# Altium PCB controller.PcbDoc (part 2 of 2)
Units mm, origin at the board's own origin, x right, y up, seen from the top; angles counter-clockwise.
Board outline 164.59 x 131.95 mm, 2 copper layers (Top Layer, Bottom Layer); 200 components, 169 nets, 753 pads, 168 vias.
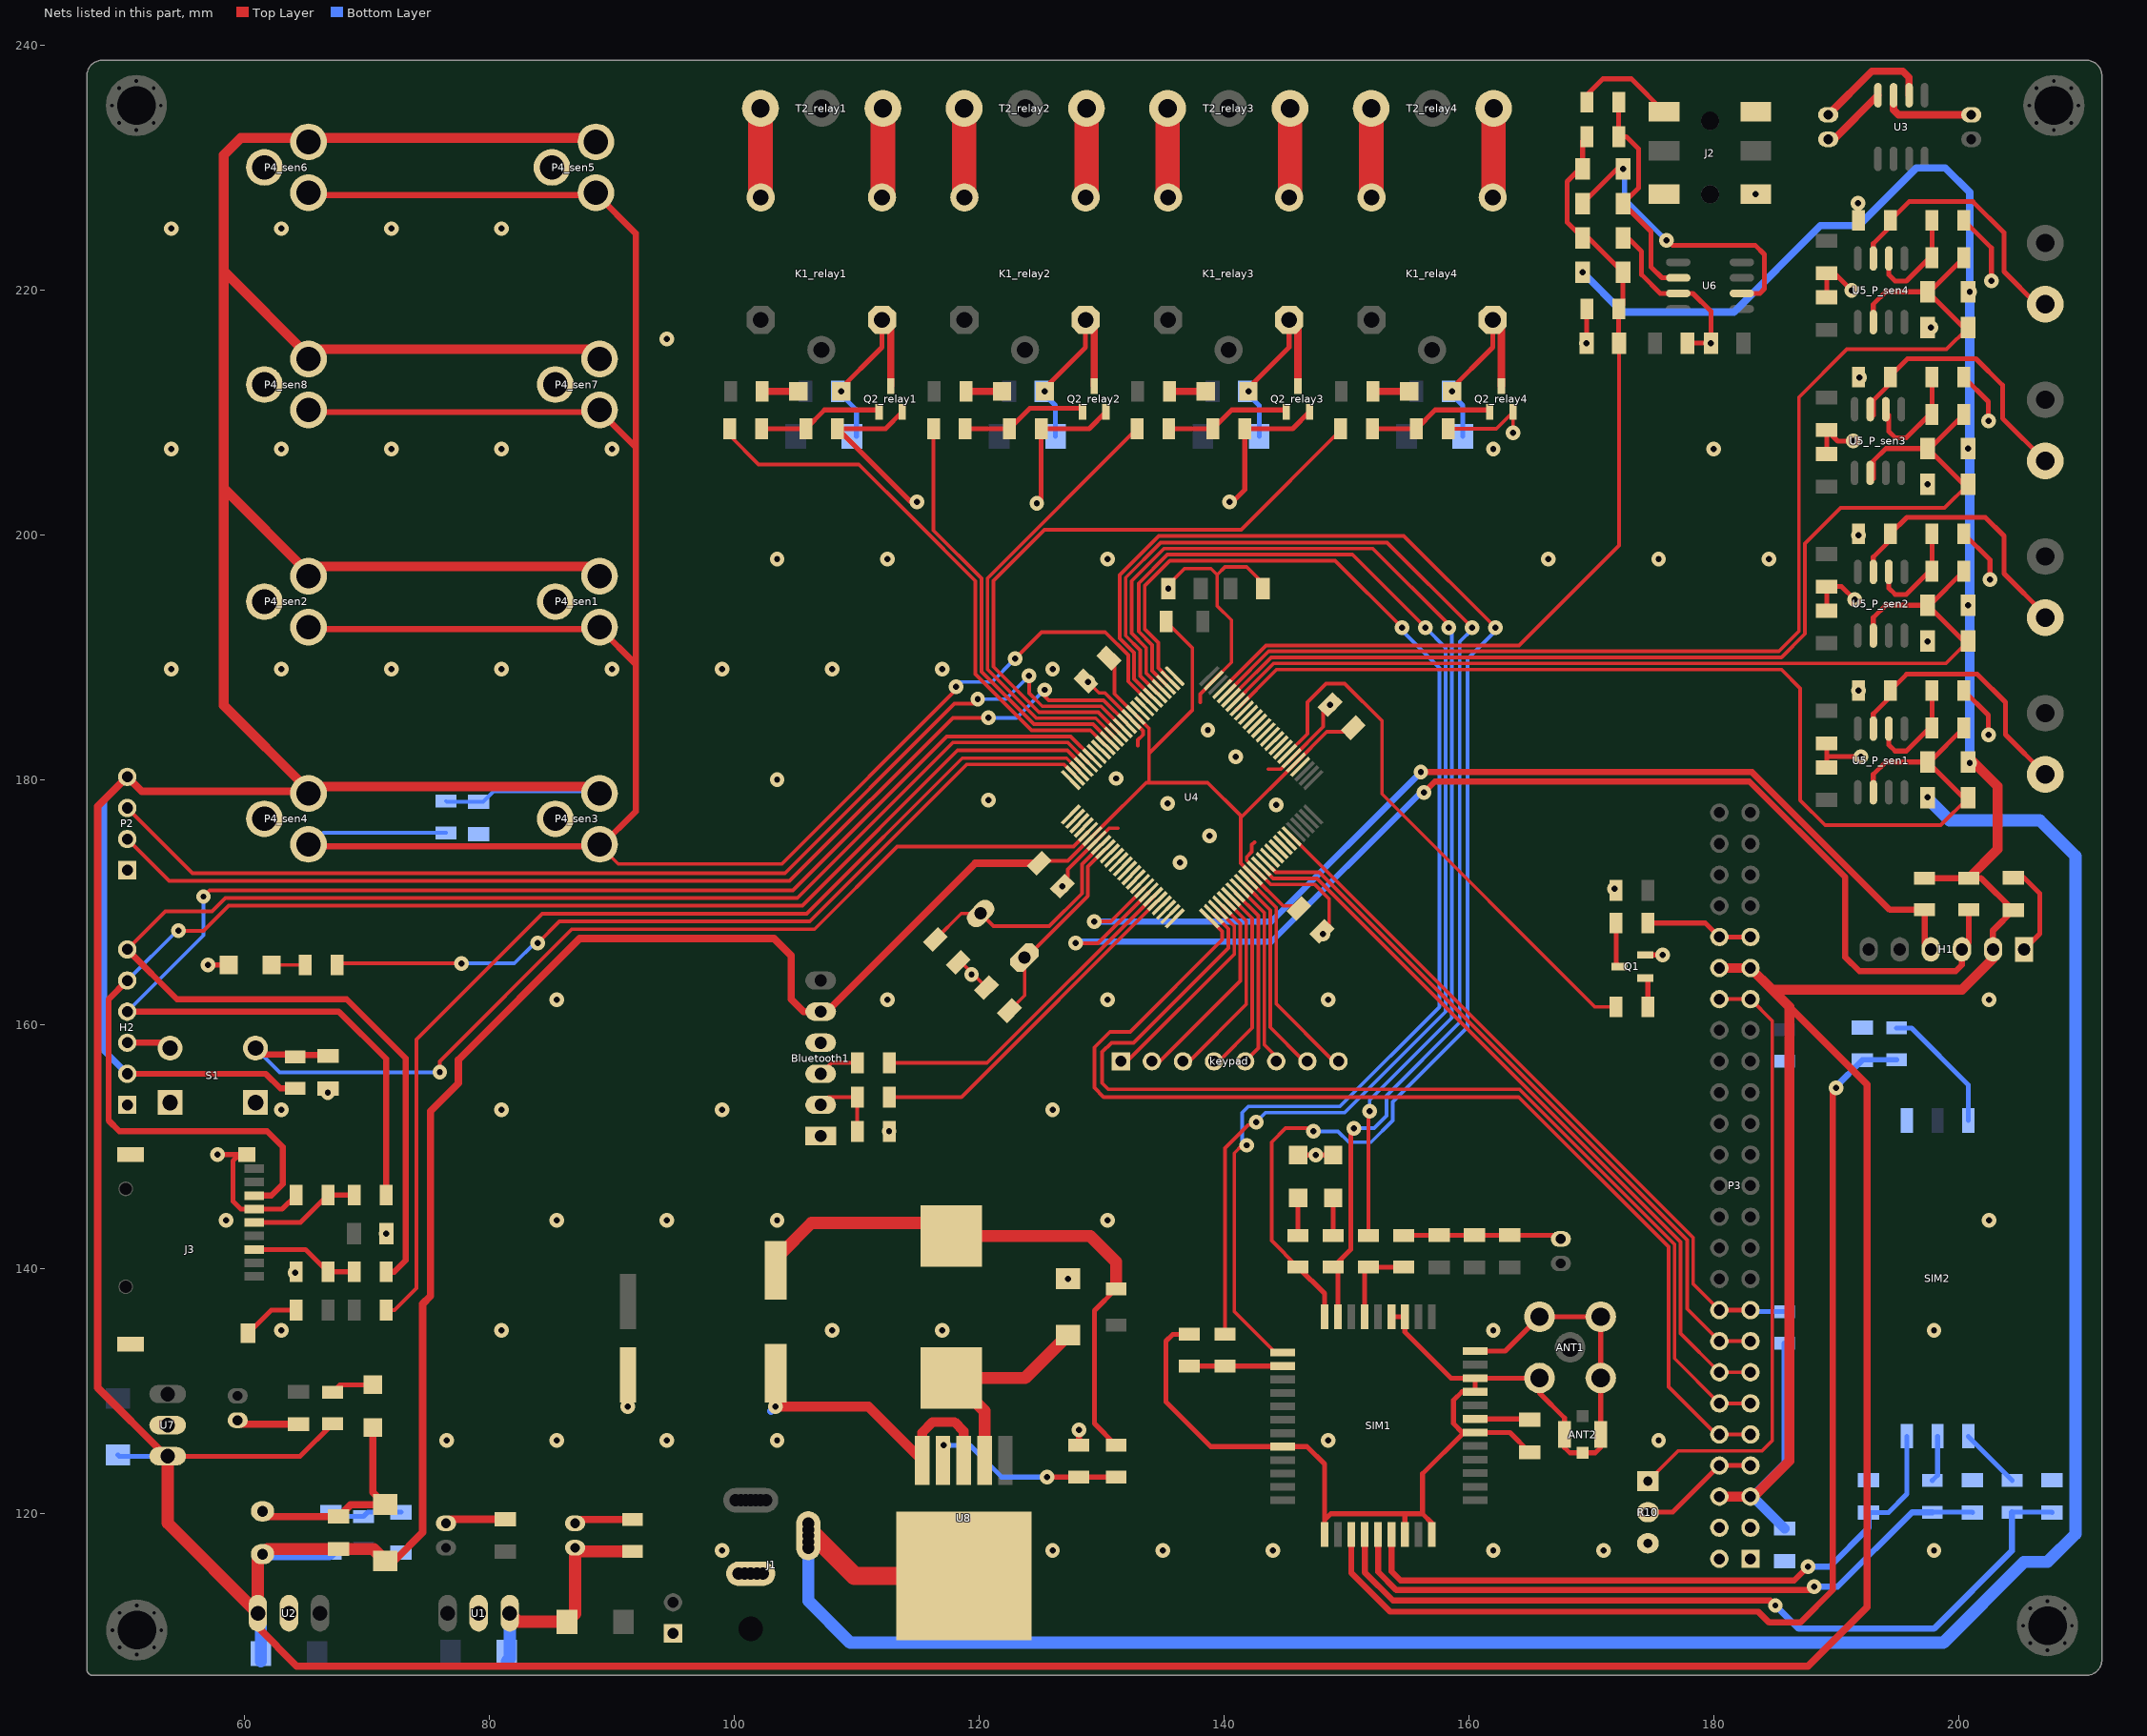
[diagram p2: the nets of this part, all layers, seen from the top]

## Via types
v1: diameter 1.2, hole 0.5, Top Layer to Bottom Layer, tented both sides, 168 vias

## Nets (pads, with @x,y where several pads share a name; then routed paths per layer and width w, separated by ;. In a path a pad name is that pad's centre, name@x,y a point inside that pad or via, vN(x,y) a via of type N, cw(c..) or ccw(c..) an arc to the next point about the centre after c; other vN are vias at no path point) (continued)
GND: ANT1.2 ANT2.G Bluetooth1.4 C1.2 C2.2 C3.2 C4.1 C5.1 C7.1 C8.1 C9.1 C10.1 C11.2 C12.1 C13.2 C14.2 C15.1 C16.1 C17.1 C18.1 C19_P_sen1.2 C19_P_sen2.2 C19_P_sen3.2 C19_P_sen4.2 C20_P_sen1.1 C20_P_sen2.1 C20_P_sen3.1 C20_P_sen4.1 C22.1 C23.2 C24.1 C25.1 C26.2 C27.1 C28.2 C29.2 C30.1 C31.1 C32.2 C33.1 C34.1 C35.1 C36.1 C37.1 C38.1 C39.1 D4.1 D7.1 D9_P_sen1.1 D9_P_sen2.1 D9_P_sen3.1 D9_P_sen4.1 D14.1 D16.1 H1.1 H2.1 J1.2 J1.3 J2.3 J3.6 J3.sh1 J3.sh2 J3.sh3 J3.sh4 LED2.2 LED3.2 LED4.2 LED5.2 P1.1 P2.1 P3.1 P3.2 P3.3 P3.4 P4_sen1.1 P4_sen2.1 P4_sen3.1 P4_sen4.1 P4_sen5.1 P4_sen6.1 P4_sen7.1 P4_sen8.1 Q1.2 Q2_relay1.2 Q2_relay2.2 Q2_relay3.2 Q2_relay4.2 R1.1 R5.1 R10.2 R13_P_sen1.1 R13_P_sen2.1 R13_P_sen3.1 R13_P_sen4.1 R14_P_sen1.1 R14_P_sen2.1 R14_P_sen3.1 R14_P_sen4.1 R17_relay1.1 R17_relay2.1 R17_relay3.1 R17_relay4.1 R21.1 R22.1 R25.1 R31.1 R32.1 R33.1 R34.2 R39.1 R42.1 S1.1 SIM1.8 SIM1.13 SIM1.19 SIM1.21 SIM1.27 SIM1.30 SIM1.31 SIM1.33 SIM1.36 SIM1.37 SIM2.4 U1.2 U2.2 U3.3 U4.11 U4.32 U4.62 U4.81 U4.99 U6.3 U7.2 U8.3 U8.5 | length 584
  Top Layer w0.3: C11.2@118.285,165.052 118.539,165.052 C14.2@120.602,162.989 ; v1(126.794,171.275) 127.254,171.735 127.254,172.655 U4.32@129.612,175.013 130.621,176.022 131.318,176.022 ; C15.1@128.857,187.658 129.207,187.658 129.794,187.071 130.282,187.071 U4.11@132.44,184.913 133.385,183.968 133.385,183.641 132.969,183.225 132.969,182.753 ; v1(135.454,195.58) 135.454,195.906 136.779,197.231 138.938,197.231 139.446,196.723 ; 138.049,186.309 138.049,186.986 U4.99@139.158,188.095 139.158,188.109 140.607,189.558 140.607,193.022 139.446,194.183 139.446,196.723 ; 142.494,174.879 142.278,174.663 142.278,174.088 141.858,173.669 141.858,173.373 U4.62@142.693,172.538 143.801,171.43 147.393,171.43 148.59,170.233 148.59,168.179 C17.1@148.003,167.592 ; C12.1@143.184,195.58 143.184,196.033 141.859,197.358 140.081,197.358 139.446,196.723 ; 143.637,180.848 144.639,180.848 U4.81@145.522,181.731 148.098,184.307 148.098,185.531 v1(148.669,186.103) ; R17_relay4.1@158.326,208.661 162.25,208.661 Q2_relay4.2@163.613,210.024 v1(163.613,208.317)
  Top Layer w0.4: v1(57.023,164.846) LED5.2@58.702,164.846 ; v1(57.79,149.357) J3.sh1@60.192,149.357 ; 59.436,149.225 59.055,148.844 59.055,145.542 59.69,144.907 J3.6@60.792,144.907 63.063,144.907 R32.1@64.206,146.05 ; J3.sh4@60.292,134.757 62.187,136.652 R31.1@64.206,136.652 ; Q2_relay1.2@113.726,210.024 112.363,208.661 R17_relay1.1@108.439,208.661 114.408,202.692 v1(114.935,202.692) ; v1(124.714,202.565) 124.714,202.311 125.068,202.665 R17_relay2.1@125.068,208.661 128.992,208.661 Q2_relay2.2@130.355,210.024 ; R34.2@137.16,134.676 135.819,134.676 135.255,134.112 135.255,129.159 138.915,125.499 SIM1.8@144.78,125.499 146.789,125.499 148.209,124.079 148.209,119.507 ; v1(140.462,202.692) 140.589,202.565 141.697,203.673 R17_relay3.1@141.697,208.661 145.621,208.661 Q2_relay3.2@146.984,210.024 ; LED3.2@146.05,149.324 v1(147.487,149.324) LED2.2@148.924,149.324 ; SIM1.13@148.209,118.318 148.209,119.507 ; SIM1.37@153.686,136.098 SIM1.36@154.781,136.098 154.781,134.86 158.554,131.087 SIM1.31@160.528,131.087 ; R42.1@154.673,142.76 167.215,142.76 C32.2@167.513,142.462 ; SIM1.19@154.781,118.318 154.781,119.983 154.813,120.015 ; SIM1.21@156.972,118.318 156.972,119.263 156.22,120.015 ; SIM1.33@160.528,133.304 162.975,133.304 ANT1.2@165.775,136.104 ANT1.2@170.775,136.104 ANT1.2@170.775,131.104 170.775,126.501 ANT2.G@170.766,126.492 170.766,125.427 170.331,124.992 ANT2.G@169.291,124.992 168.251,124.992 167.816,125.427 ANT2.G@167.816,126.492 167.816,127.84 165.775,129.881 ANT1.2@165.775,131.104 165.758,131.087 SIM1.31@160.528,131.087 ; C30.1@164.973,125.04 163.359,126.654 SIM1.27@160.528,126.654 SIM1.27@159.596,126.654 ; v1(169.615,215.646) 169.615,218.41 R21.1@169.642,218.437 ; v1(171.902,171.069) R5.1@172.029,170.942 ; D14.1@172.59,224.243 173.011,224.243 174.115,223.139 174.115,221.234 175.639,219.71 U6.3@177.103,219.71 178.308,219.71 179.775,218.243 v1(179.775,215.646) C25.1@177.853,215.646 ; Q1.2@174.405,165.669 v1(175.829,165.669) ; v1(183.419,227.807) J2.3@183.453,227.807 ; C19_P_sen1.2@189.23,180.975 189.23,181.864 ; C20_P_sen1.1@189.23,182.952 189.23,181.864 ; C19_P_sen2.2@189.23,193.778 C20_P_sen2.1@189.23,195.755 190.452,195.755 v1(191.516,194.691) ; C19_P_sen3.2@189.23,206.581 C20_P_sen3.1@189.23,208.558 190.143,207.645 v1(191.389,207.645) ; C19_P_sen4.2@189.23,219.384 C20_P_sen4.1@189.23,221.361 189.865,221.361 v1(191.262,219.964) ; v1(191.785,227.076) 191.841,227.02 R14_P_sen4.1@191.841,225.679 ; v1(191.841,199.954) R14_P_sen2.1@191.841,200.073 ; R14_P_sen3.1@191.841,212.876 v1(191.897,212.82) ; v1(192.024,181.864) 189.23,181.864 ; D9_P_sen1.1@197.486,178.507 v1(197.486,178.563) ; v1(197.486,191.263) D9_P_sen2.1@197.486,191.31 ; D9_P_sen4.1@197.486,216.916 v1(197.739,216.916) ; R13_P_sen1.1@200.434,187.27 202.438,185.266 v1(202.438,183.642) ; R13_P_sen2.1@200.434,200.073 202.565,197.942 v1(202.565,196.342) ; R13_P_sen3.1@200.434,212.876 202.438,210.872 v1(202.438,209.296) ; R13_P_sen4.1@200.434,225.679 202.692,223.421 v1(202.692,220.726) ; C9.1@204.47,171.969 205.348,171.969 206.629,170.688 206.629,167.386 H1.1@205.359,166.116 ; 148.209,119.507 148.717,120.015 154.813,120.015 ; 154.813,120.015 156.22,120.015 ; 156.22,120.015 156.22,123.278 SIM1.27@159.596,126.654 ; SIM1.27@159.596,126.654 159.477,126.654 158.75,127.381 158.75,129.286 159.443,129.979 SIM1.30@160.528,129.979 SIM1.31@160.528,131.087
  Top Layer w0.5: R25.1@128.143,125.603 v1(128.143,126.873)
  Top Layer w0.6: C26.2@59.436,127.651 59.761,127.326 C27.1@64.389,127.326 ; C3.2@61.468,120.213 61.893,119.788 C5.1@67.691,119.788 68.666,120.763 D4.1@71.501,120.763 70.485,121.779 LED4.2@70.485,127.051 ; C2.2@76.454,119.237 76.779,119.562 C4.1@81.28,119.562 ; C1.2@86.995,119.237 87.293,119.535 R1.1@91.694,119.535 ; v1(91.313,128.778) C28.2@91.313,131.356 ; v1(103.378,128.778) C29.2@103.378,131.506 ; U3.3@194.691,235.899 194.691,234.696 195.088,234.299 C7.1@201.041,234.299
  Top Layer w0.8: v1(103.378,128.778) 110.95,128.778 U8.5@115.345,124.383 115.345,126.648 116.205,127.508 117.983,127.508 118.745,126.746 U8.3@118.745,124.383
  Top Layer w1.5: J1.3@106.046,118.717 109.828,114.935 U8.3@118.745,114.935
  Bottom Layer w0.4: v1@191.897,212.725 v1(191.897,212.82) ; v1(197.486,191.263) v1(197.486,191.263) ; v1(197.486,178.563) v1@197.612,178.689
  Bottom Layer w0.6: v1@102.997,128.397 v1(103.378,128.778)
  Bottom Layer w1: J1.3@106.046,118.217 J1.3@106.046,117.717 J1.3@106.046,117.217 106.046,112.902 109.474,109.474 198.755,109.474 205.359,116.078 207.264,116.078 209.55,118.364 209.55,173.736 206.629,176.657 199.265,176.657 v1@197.486,178.436
  other v1: 99,117 126,117 135,117 144,117 162,117 171,117 198,117 76.5,126 85.5,126 94.5,126 103.5,126 148.5,126 175.5,126 63,135 81,135 108,135 117,135 162,135 198,135 127.254,139.206 64.135,139.7 71.584,142.892 58.5,144 85.5,144 94.5,144 103.5,144 130.5,144 202.5,144 112.649,151.257 63,153 81,153 99,153 126,153 66.802,154.432 85.5,162 112.5,162 130.5,162 148.5,162 202.5,162 119.38,164.084 148.082,167.386 136.398,173.228 138.811,175.387 144.272,177.927 135.382,178.054 120.777,178.308 103.5,180 131.191,180.086 140.97,181.864 138.684,184.023 191.841,187.27 128.905,187.96 54,189 63,189 72,189 81,189 90,189 99,189 108,189 117,189 126,189 103.5,198 112.5,198 130.5,198 166.5,198 175.5,198 184.5,198 197.486,204.113 54,207 63,207 72,207 81,207 90,207 162,207 180,207 94.5,216 54,225 63,225 72,225 81,225
Key1: keypad.1 U4.53 | length 17.1
  Top Layer w0.3: keypad.1@131.572,156.972 132.08,156.972 140.842,165.734 140.842,168.011 139.511,169.342 U4.53@139.511,169.356
Key2: keypad.2 U4.54 | length 16.7
  Top Layer w0.3: keypad.2@134.112,156.972 134.747,156.972 141.332,163.557 141.332,168.228 139.865,169.696 U4.54@139.865,169.71
Key3: keypad.3 U4.55 | length 16.2
  Top Layer w0.3: keypad.3@136.652,156.972 137.16,156.972 141.822,161.634 141.822,168.445 140.218,170.049 U4.55@140.218,170.063
Key4: keypad.4 U4.56 | length 15.7
  Top Layer w0.3: keypad.4@139.192,156.972 139.573,156.972 142.312,159.711 142.312,168.663 140.572,170.403 U4.56@140.572,170.417
Key5: keypad.5 U4.57 | length 15
  Top Layer w0.3: U4.57@140.925,170.77 140.925,170.756 142.802,168.88 142.802,158.042 keypad.5@141.732,156.972
Key6: keypad.6 U4.58 | length 15.4
  Top Layer w0.3: U4.58@141.279,171.124 141.279,171.11 143.292,169.097 143.292,158.333 144.272,157.353 keypad.6@144.272,156.972
Key7: keypad.7 U4.59 | length 16.8
  Top Layer w0.3: U4.59@141.633,171.478 143.782,169.328 143.782,159.748 146.558,156.972 keypad.7@146.812,156.972
Key8: keypad.8 U4.60 | length 18.1
  Top Layer w0.3: U4.60@141.986,171.831 141.986,171.817 144.272,169.531 144.272,161.671 148.971,156.972 keypad.8@149.352,156.972
mosi_3.3: J3.3 R30.1 R33.2 | length 8.9
  Top Layer w0.4: J3.3@60.792,141.607 64.98,141.607 R33.2@66.802,139.785 R30.1@68.961,139.785
NC_relay1: K1_relay1.2 T2_relay1.3 | length 7.3
  Top Layer w2: T2_relay1.3@102.141,234.823 102.141,227.576 K1_relay1.2@102.166,227.551
NC_relay2: K1_relay2.2 T2_relay2.3 | length 7.3
  Top Layer w2: T2_relay2.3@118.77,234.823 118.77,227.576 K1_relay2.2@118.795,227.551
NC_relay3: K1_relay3.2 T2_relay3.3 | length 7.3
  Top Layer w2: T2_relay3.3@135.399,234.823 135.399,227.576 K1_relay3.2@135.424,227.551
NC_relay4: K1_relay4.2 T2_relay4.3 | length 7.3
  Top Layer w2: T2_relay4.3@152.028,234.823 152.028,227.576 K1_relay4.2@152.053,227.551
NetC1_1: C1.1 D1.2 D3.2 R1.2 U1.1 | length 20.2
  Top Layer w1: U1.1@81.661,111.887 82.36,111.188 D3.2@86.346,111.188 86.995,111.837 C1.1@86.995,117.237 87.293,116.939 R1.2@91.694,116.939
  Bottom Layer w1: D1.2@81.421,107.95 81.661,108.19 U1.1@81.661,111.887
NetC6_+: C6.1 U3.2 | length 9.8
  Top Layer w0.6: C6.1@189.357,234.299 192.929,237.871 195.453,237.871 195.961,237.363 U3.2@195.961,235.899
NetC6_-: C6.2 U3.4 | length 5.6
  Top Layer w0.6: C6.2@189.357,232.299 189.821,232.299 U3.4@193.421,235.899
NetC11_1: C11.1 U4.33 Y1.2 | length 19
  Top Layer w0.3: C11.1@116.411,166.926 118.54,169.055 Y1.2@120.124,169.055 121.158,168.021 125.73,168.021 128.397,170.688 128.397,173.091 U4.33@129.965,174.66
NetC14_1: C14.1 U4.34 Y1.1 | length 16.5
  Top Layer w0.3: C14.1@122.476,161.115 123.716,162.355 Y1.1@123.716,165.463 123.865,165.463 128.887,170.485 128.887,172.874 U4.34@130.319,174.306
NetC21_relay1_1: C21_relay1.1 D10_relay1.1 K1_relay1.5 LED1_relay1.2 Q2_relay1.3 | length 17.4
  Top Layer w0.4: LED1_relay1.2@108.466,211.709 112.066,215.309 K1_relay1.5@112.066,217.551
  Top Layer w0.6: K1_relay1.5@112.066,217.551 112.776,216.841 Q2_relay1.3@112.776,212.124
  Bottom Layer w0.4: C21_relay1.1@108.466,211.709 109.982,210.193 D10_relay1.1@109.982,208.026
  other v1: 108.741,211.709
NetC21_relay2_1: C21_relay2.1 D10_relay2.1 K1_relay2.5 LED1_relay2.2 Q2_relay2.3 | length 17.2
  Top Layer w0.4: LED1_relay2.2@125.095,211.709 128.695,215.309 K1_relay2.5@128.695,217.551
  Top Layer w0.6: K1_relay2.5@128.695,217.551 129.405,216.841 Q2_relay2.3@129.405,212.124
  Bottom Layer w0.4: C21_relay2.1@125.095,211.709 126.238,210.566 D10_relay2.1@126.238,208.026
  other v1: 125.37,211.709
NetC21_relay3_1: C21_relay3.1 D10_relay3.1 K1_relay3.5 LED1_relay3.2 Q2_relay3.3 | length 17.2
  Top Layer w0.4: LED1_relay3.2@141.724,211.709 145.324,215.309 K1_relay3.5@145.324,217.551
  Top Layer w0.6: K1_relay3.5@145.324,217.551 146.034,216.841 Q2_relay3.3@146.034,212.124
  Bottom Layer w0.4: C21_relay3.1@141.724,211.709 142.875,210.558 D10_relay3.1@142.874,208.026
  other v1: 141.999,211.709
NetC21_relay4_1: C21_relay4.1 D10_relay4.1 K1_relay4.5 LED1_relay4.2 Q2_relay4.3 | length 17.2
  Top Layer w0.4: LED1_relay4.2@158.353,211.709 161.953,215.309 K1_relay4.5@161.953,217.551
  Top Layer w0.6: K1_relay4.5@161.953,217.551 162.663,216.841 Q2_relay4.3@162.663,212.124
  Bottom Layer w0.4: C21_relay4.1@158.353,211.709 159.503,210.559 D10_relay4.1@159.503,208.026
  other v1: 158.628,211.709
NetC29_1: C29.1 FB1.1 L2.2 R24.2 | length 46.4
  Top Layer w0.4: R24.2@131.191,125.603 129.413,127.381 129.413,136.603 FB1.1@131.191,138.381
  Top Layer w1: C29.1@103.632,141.097 106.299,143.764 116.671,143.764 L2.2@117.729,142.706 129.074,142.706 131.191,140.589 FB1.1@131.191,138.381
NetC30_2: C30.2 SIM1.28 | length 4.5
  Top Layer w0.4: SIM1.28@160.528,127.762 164.901,127.762 C30.2@164.973,127.69
NetD5_2: D5.2 D7.2 R4.2 | length 6
  Bottom Layer w0.4: D5.2@67.056,120.141 67.408,119.789 R4.2@69.723,119.789 70.075,120.141 D7.2@72.771,120.141
NetD11_1: D11.1 R19.1 R20.2 U6.2 | length 18.6
  Top Layer w0.4: R20.2@172.238,235.331 R19.1@172.238,232.515 172.867,232.515 173.861,231.521 173.861,228.33 D11.1@172.59,227.059 174.877,224.772 174.877,221.869 175.766,220.98 U6.2@177.103,220.98
NetD11_2: D11.2 D13.1 U6.6 | length 25.5
  Top Layer w0.4: D11.2@169.29,227.059 172.106,229.875 D13.1@172.59,229.875 v1(172.596,229.875) ; v1(176.147,224.028) 176.147,224.155 176.655,223.647 183.386,223.647 184.148,222.885 184.148,220.091 183.767,219.71 U6.6@182.303,219.71
  Bottom Layer w0.4: v1(172.596,229.875) 172.718,229.997 172.718,227.457 v1(176.147,224.028)
NetD16_2: D16.2 L2.1 U8.2 | length 18.8
  Top Layer w1: U8.2@120.445,124.383 120.445,128.39 L2.1@117.729,131.106 123.754,131.106 D16.2@127.254,134.606
NetJ2_1: J2.1 R20.1 | length 8.6
  Top Layer w0.4: R20.1@169.642,235.331 169.642,235.938 170.94,237.236 173.274,237.236 J2.1@175.953,234.557
NetLED1_relay1_1: LED1_relay1.1 R15_relay1.1 | length 3
  Top Layer w0.6: R15_relay1.1@102.291,211.709 LED1_relay1.1@105.241,211.709
NetLED1_relay2_1: LED1_relay2.1 R15_relay2.1 | length 3
  Top Layer w0.6: R15_relay2.1@118.92,211.709 LED1_relay2.1@121.87,211.709
NetLED1_relay3_1: LED1_relay3.1 R15_relay3.1 | length 3
  Top Layer w0.6: R15_relay3.1@135.549,211.709 LED1_relay3.1@138.499,211.709
NetLED1_relay4_1: LED1_relay4.1 R15_relay4.1 | length 3
  Top Layer w0.6: R15_relay4.1@152.178,211.709 LED1_relay4.1@155.128,211.709
NetLED2_A: LED2.1 R26.2 | length 3.1
  Top Layer w0.4: R26.2@148.924,142.76 LED2.1@148.924,145.824
NetLED3_A: LED3.1 R27.2 | length 3.1
  Top Layer w0.4: R27.2@146.05,142.76 LED3.1@146.05,145.824
NetLED4_A: LED4.1 R9.2 | length 3.6
  Top Layer w0.4: R9.2@67.183,129.949 67.785,130.551 LED4.1@70.485,130.551
NetLED5_A: LED5.1 R43.2 | length 2.8
  Top Layer w0.3: LED5.1@62.202,164.846 R43.2@64.968,164.846
NetP3_41: P3.41 P3.42 R6.2 | length 8.9
  Top Layer w0.4: R6.2@174.625,168.275 179.324,168.275 P3.42@180.467,167.132 P3.41@183.007,167.132
NetQ1_1: Q1.1 R7.1 | length 2.4
  Top Layer w0.4: Q1.1@174.405,163.769 174.625,163.549 R7.1@174.625,161.417
NetQ1_3: Q1.3 R6.1 | length 3.7
  Top Layer w0.4: R6.1@172.029,168.275 172.029,164.995 Q1.3@172.305,164.719
NetQ2_relay1_1: Q2_relay1.1 R16_relay1.1 R17_relay1.2 | length 10.3
  Top Layer w0.4: R16_relay1.1@102.235,208.661 R17_relay1.2@105.843,208.661 107.367,210.185 111.665,210.185 Q2_relay1.1@111.826,210.024
NetQ2_relay2_1: Q2_relay2.1 R16_relay2.1 R17_relay2.2 | length 10.6
  Top Layer w0.4: R16_relay2.1@118.864,208.661 R17_relay2.2@122.472,208.661 124.123,210.312 128.455,210.312 Q2_relay2.1@128.455,210.024
NetQ2_relay3_1: Q2_relay3.1 R16_relay3.1 R17_relay3.2 | length 10.4
  Top Layer w0.4: R16_relay3.1@135.493,208.661 R17_relay3.2@139.101,208.661 140.625,210.185 145.084,210.185 Q2_relay3.1@145.084,210.024
NetQ2_relay4_1: Q2_relay4.1 R16_relay4.1 R17_relay4.2 | length 10.4
  Top Layer w0.4: R16_relay4.1@152.122,208.661 R17_relay4.2@155.73,208.661 157.254,210.185 161.713,210.185 Q2_relay4.1@161.713,210.024
NetR12_P_sen1_1: R12_P_sen1.1 R13_P_sen1.2 U5_P_sen1.2 | length 8.9
  Top Layer w0.4: U5_P_sen1.2@194.31,184.155 194.31,182.825 194.818,182.317 195.749,182.317 197.654,184.222 R12_P_sen1.1@197.838,184.222 R13_P_sen1.2@197.838,187.27
NetR12_P_sen2_1: R12_P_sen2.1 R13_P_sen2.2 U5_P_sen2.2 | length 8.9
  Top Layer w0.4: U5_P_sen2.2@194.31,196.958 194.31,195.628 194.818,195.12 195.749,195.12 197.654,197.025 R12_P_sen2.1@197.838,197.025 R13_P_sen2.2@197.838,200.073
NetR12_P_sen3_1: R12_P_sen3.1 R13_P_sen3.2 U5_P_sen3.2 | length 8.9
  Top Layer w0.4: U5_P_sen3.2@194.31,209.761 194.31,208.431 194.818,207.923 195.749,207.923 197.654,209.828 R12_P_sen3.1@197.838,209.828 R13_P_sen3.2@197.838,212.876
NetR12_P_sen4_1: R12_P_sen4.1 R13_P_sen4.2 U5_P_sen4.2 | length 8.9
  Top Layer w0.4: U5_P_sen4.2@194.31,222.564 194.31,221.234 194.818,220.726 195.749,220.726 197.654,222.631 R12_P_sen4.1@197.838,222.631 R13_P_sen4.2@197.838,225.679
NetR14_P_sen1_2: R14_P_sen1.2 T1_P_sen1.1 U5_P_sen1.3 | length 21.8
  Top Layer w0.4: U5_P_sen1.3@193.04,184.155 193.04,185.365 194.437,186.762 R14_P_sen1.2@194.437,187.27 195.762,188.595 201.549,188.595 203.835,186.309 203.835,183.658 T1_P_sen1.1@207.081,180.412
NetR14_P_sen2_2: R14_P_sen2.2 T1_P_sen2.1 U5_P_sen2.3 | length 22.2
  Top Layer w0.4: U5_P_sen2.3@193.04,196.958 193.04,198.168 194.437,199.565 R14_P_sen2.2@194.437,200.073 195.786,201.422 202.184,201.422 203.708,199.898 203.708,196.825 207.081,193.452 T1_P_sen2.1@207.081,193.215
NetR14_P_sen3_2: R14_P_sen3.2 T1_P_sen3.1 U5_P_sen3.3 | length 22.1
  Top Layer w0.4: U5_P_sen3.3@193.04,209.761 193.04,210.971 194.437,212.368 R14_P_sen3.2@194.437,212.876 194.437,212.979 195.834,214.376 201.422,214.376 203.588,212.21 203.588,209.511 T1_P_sen3.1@207.081,206.018
NetR14_P_sen4_2: R14_P_sen4.2 T1_P_sen4.1 U5_P_sen4.3 | length 22.3
  Top Layer w0.4: U5_P_sen4.3@193.04,222.564 193.04,223.774 194.437,225.171 R14_P_sen4.2@194.437,225.679 195.961,227.203 201.168,227.203 203.708,224.663 203.708,221.488 206.375,218.821 T1_P_sen4.1@207.081,218.821
NetR23_1: R23.1 R34.1 SIM1.2 | length 7.6
  Top Layer w0.4: R34.1@137.16,132.08 R23.1@140.081,132.08 SIM1.2@144.78,132.08
NetR24_1: R24.1 R25.2 U8.4 | length 16.5
  Top Layer w0.4: U8.4@117.045,124.383 116.967,124.461 117.094,124.588 v1(117.094,125.603) ; v1(125.547,123.007) R25.2@128.143,123.007 R24.1@131.191,123.007
  Bottom Layer w0.4: v1(117.094,125.603) 119.253,125.603 121.849,123.007 v1(125.547,123.007)
NetR35_1: R35.1 SIM2.6 | length 10.7
  Bottom Layer w0.4: R35.1@194.945,159.695 196.159,159.695 200.787,155.067 SIM2.6@200.787,152.146
NetR36_2: R36.2 SIM2.2 | length 3.8
  Bottom Layer w0.4: R36.2@197.866,122.738 198.287,123.159 SIM2.2@198.287,126.346
NetR37_2: R37.2 SIM2.3 | length 5.1
  Bottom Layer w0.4: SIM2.3@200.787,126.346 204.369,122.764 R37.2@204.369,122.738
NetR41_2: R41.2 R42.2 SIM1.39 | length 7.1
  Top Layer w0.4: SIM1.39@151.495,136.098 151.495,139.86 R41.2@151.799,140.164 R42.2@154.673,140.164
NO_relay1: K1_relay1.3 T2_relay1.1 | length 7.3
  Top Layer w2: K1_relay1.3@112.066,227.551 112.141,227.626 T2_relay1.1@112.141,234.823
NO_relay2: K1_relay2.3 T2_relay2.1 | length 7.3
  Top Layer w2: K1_relay2.3@128.695,227.551 128.77,227.626 T2_relay2.1@128.77,234.823
NO_relay3: K1_relay3.3 T2_relay3.1 | length 7.3
  Top Layer w2: K1_relay3.3@145.324,227.551 145.399,227.626 T2_relay3.1@145.399,234.823
NO_relay4: K1_relay4.3 T2_relay4.1 | length 7.3
  Top Layer w2: K1_relay4.3@161.953,227.551 162.028,227.626 T2_relay4.1@162.028,234.823
PB0: U4.19
PB1: H2.4 R29.2 U4.20 | length 124.6
  Top Layer w0.3: v1(56.642,170.434) 57.15,170.942 104.775,170.942 117.348,183.515 127.488,183.515 129.244,181.759 129.244,181.73 U4.20@129.258,181.73
  Top Layer w0.5: H2.4@50.419,161.036 67.691,161.036 71.557,157.17 R29.2@71.557,146.05
  Bottom Layer w0.3: H2.4@50.419,161.036 56.642,167.259 v1(56.642,170.434)
PB2: H2.6 R30.2 U4.21 | length 131.1
  Top Layer w0.3: H2.6@50.419,166.116 53.537,169.234 57.347,169.234 58.42,170.307 105.156,170.307 117.874,183.025 127.257,183.025 U4.21@128.905,181.377
  Top Layer w0.5: H2.6@50.419,166.116 54.483,162.052 68.326,162.052 73.152,157.226 73.152,140.716 72.221,139.785 R30.2@71.557,139.785
PB3: H2.5 J3.7 U4.22 | length 119.4
  Top Layer w0.3: v1(54.61,167.64) 56.642,167.64 58.692,169.69 105.555,169.69 118.237,182.372 127.202,182.372 U4.22@128.551,181.023
  Top Layer w0.5: H2.5@50.419,163.576 48.895,162.052 48.895,152.146 49.784,151.257 61.849,151.257 63.119,149.987 63.119,146.939 62.187,146.007 J3.7@60.792,146.007
  Bottom Layer w0.3: H2.5@50.419,163.576 54.483,167.64 v1(54.61,167.64)
PB4: R28.2 U4.23 | length 87.7
  Top Layer w0.3: R28.2@71.557,136.652 72.263,136.652 74.041,138.43 74.041,158.75 84.328,169.037 105.918,169.037 118.618,181.737 127.144,181.737 128.183,180.698 128.183,180.67 U4.23@128.198,180.67
PB5: R43.1 U4.24 | length 67.4
  Top Layer w0.3: R43.1@67.564,164.846 67.691,164.973 v1(77.724,164.973) ; v1(83.947,166.624) 85.725,168.402 106.172,168.402 118.999,181.229 126.931,181.229 U4.24@127.844,180.316
  Bottom Layer w0.3: v1(77.724,164.973) 82.042,164.973 83.693,166.624 v1(83.947,166.624)
PB6: U4.25
PB7: U4.26
PD0: H1.4 R2.2 U4.43 | length 86.2
  Top Layer w0.3: v1(129.413,168.402) 130.765,168.402 133.472,171.11 133.501,171.11 U4.43@133.501,171.124
  Top Layer w0.5: v1(156.083,180.594) 183.134,180.594 194.382,169.346 R2.2@197.231,169.346 197.231,166.624 H1.4@197.739,166.116
  Bottom Layer w0.5: v1(129.413,168.402) 143.891,168.402 v1(156.083,180.594)
PD1: H1.3 R3.2 U4.44 | length 100.7
  Top Layer w0.3: v1(127.889,166.624) 129.708,166.624 U4.44@133.854,170.77
  Top Layer w0.5: v1(156.337,178.943) 157.226,179.832 182.92,179.832 190.754,171.998 190.754,165.481 191.897,164.338 199.771,164.338 200.279,164.846 H1.3@200.279,166.116 200.838,166.675 R3.2@200.838,169.346
  Bottom Layer w0.5: v1(127.889,166.624) 128.016,166.751 143.891,166.751 156.083,178.943 v1(156.337,178.943)
PD2: R40.2 U4.45 | length 27.4
  Top Layer w0.3: R40.2@112.649,156.845 120.65,156.845 U4.45@134.366,170.561
PD3: R38.1 U4.46 | length 28.5
  Top Layer w0.3: R38.1@112.649,154.051 118.549,154.051 U4.46@134.561,170.063
PD4: U4.47
PD5: U4.48
PD6: U4.49
PD7: U4.50
PE0: SIM1.1 U4.2 | length 107.1
  Top Layer w0.3: 134.624,189.093 134.624,191.189 133.522,192.29 133.522,195.822 135.585,197.884 149.08,197.884 v1(154.559,192.405) ; 134.631,189.1 135.622,188.109 U4.2@135.622,188.095 ; v1(141.859,150.114) 141.478,150.114 140.843,149.479 140.843,136.525 144.191,133.177 SIM1.1@144.78,133.177
  Bottom Layer w0.3: v1(141.859,150.114) 141.478,150.495 141.478,152.781 141.986,153.289 149.479,153.289 157.607,161.417 157.607,189.103 154.559,192.151 v1(154.559,192.405)
PE1: R23.2 U4.3 | length 106
  Top Layer w0.3: U4.3@135.269,187.741 135.269,187.755 134.134,188.89 134.134,190.986 133.032,192.088 133.032,196.024 135.382,198.374 150.495,198.374 v1(156.464,192.405) ; R23.2@140.081,134.676 140.081,149.892 141.954,151.765 142.367,151.765 v1(142.621,152.019)
  Bottom Layer w0.3: v1(142.621,152.019) 143.383,152.781 149.86,152.781 158.115,161.036 158.115,190.754 v1(156.464,192.405)
PE2: R41.1 U4.4 | length 92.3
  Top Layer w0.3: U4.4@134.915,187.387 134.915,187.402 133.644,188.673 133.644,190.761 132.461,191.944 132.461,196.215 135.11,198.864 152.164,198.864 158.369,192.659 v1(158.369,192.405) ; R41.1@151.799,142.76 151.799,152.815 v1(151.892,152.908)
  Bottom Layer w0.3: v1(151.892,152.908) 151.892,153.797 158.623,160.528 158.623,192.024 158.369,192.278 v1(158.369,192.405)
PE3: R26.1 SIM1.41 U4.5 | length 105.4
  Top Layer w0.3: U4.5@134.561,187.034 134.561,187.048 133.154,188.455 133.154,190.558 131.971,191.741 131.971,196.487 134.838,199.354 153.325,199.354 v1(160.274,192.405)
  Top Layer w0.4: SIM1.41@149.304,136.098 149.304,139.784 R26.1@148.924,140.164 150.368,141.608 150.368,151.003 150.876,151.511 v1(150.622,151.511)
  Bottom Layer w0.3: v1(150.622,151.511) 152.273,151.511 153.289,152.527 153.289,154.178 159.258,160.147 159.258,191.262 160.274,192.278 v1(160.274,192.405)
PE4: R27.1 SIM1.42 U4.6 | length 118.2
  Top Layer w0.3: U4.6@134.208,186.68 132.664,188.224 132.664,190.355 131.481,191.538 131.481,196.69 134.689,199.898 154.686,199.898 v1(162.179,192.405) ; R27.1@146.05,140.164 143.891,142.323 143.891,150.368 145.034,151.511 147.32,151.511 v1(147.32,151.257)
  Top Layer w0.4: R27.1@146.05,140.164 148.209,138.005 SIM1.42@148.209,136.098
  Bottom Layer w0.3: v1(147.32,151.257) 149.32,151.257 150.209,150.368 152.019,150.368 153.779,152.128 153.779,153.652 159.893,159.766 159.893,189.865 162.179,192.151 162.433,192.151 v1(162.179,192.405)
PE5: P4_sen1.2 P4_sen2.2 P4_sen3.2 P4_sen4.2 P4_sen5.2 P4_sen6.2 P4_sen7.2 P4_sen8.2 R18.1 U4.7 | length 227.1
  Top Layer w0.3: P4_sen3.2@89.093,174.532 90.524,173.101 103.886,173.101 118.11,187.325 v1(118.11,187.579) ; v1(122.936,189.865) 125.095,192.024 130.302,192.024 132.174,190.152 132.174,188.007 U4.7@133.854,186.327
  Top Layer w0.5: P4_sen4.2@65.32,174.532 89.093,174.532 91.948,177.387 91.948,189.419 ; P4_sen2.2@65.32,192.274 89.093,192.274 91.948,189.419 ; P4_sen8.2@65.32,210.015 89.093,210.015 91.948,207.16 ; P4_sen6.2@65.32,227.756 88.803,227.756 91.948,224.611 91.948,207.16 ; 91.948,189.419 91.948,207.16
  Bottom Layer w0.3: P4_sen4.2@65.32,174.532 66.428,175.64 R18.1@76.454,175.64 ; v1(118.11,187.579) 118.491,187.96 121.031,187.96 v1(122.936,189.865)
PE6: U4.8
PE7: U4.9
PF0: C24.2 D12.1 D13.2 D14.2 R19.2 R21.2 U4.97 | length 73
  Top Layer w0.3: U4.97@140.443,187.979 140.471,187.979 143.446,190.954 164.099,190.954 172.265,199.12 C24.2@172.265,215.646
  Top Layer w0.4: R19.2@169.642,232.515 169.29,232.163 D13.2@169.29,229.875 169.04,229.875 168.019,228.854 168.019,225.514 D14.2@169.29,224.243 169.774,224.243 D12.1@172.59,221.427 172.59,218.789 R21.2@172.238,218.437 172.238,215.673 C24.2@172.265,215.646
PF1: D8_P_sen4.1 D9_P_sen4.2 R12_P_sen4.2 U4.96 U5_P_sen4.6 | length 99.1
  Top Layer w0.3: U4.96@140.218,187.034 140.232,187.034 140.78,187.582 140.78,187.596 143.648,190.464 185.326,190.464 186.962,192.1 186.962,211.219 190.881,215.138 199.008,215.138 D9_P_sen4.2@200.786,216.916
  Top Layer w0.4: U5_P_sen4.6@193.04,217.364 193.04,218.821 194.056,219.837 D8_P_sen4.1@197.486,219.837 ; R12_P_sen4.2@200.434,222.631 197.64,219.837 D8_P_sen4.1@197.486,219.837 ; D9_P_sen4.2@200.786,216.916 200.407,216.916 D8_P_sen4.1@197.486,219.837
PF2: D8_P_sen3.1 D9_P_sen3.2 R12_P_sen3.2 U4.95 U5_P_sen3.6 | length 86.7
  Top Layer w0.3: U4.95@140.572,186.68 141.27,187.379 141.27,187.393 143.851,189.974 185.529,189.974 187.452,191.897 187.452,199.263 190.373,202.184 198.857,202.184 D9_P_sen3.2@200.786,204.113
  Top Layer w0.4: U5_P_sen3.6@193.04,204.561 193.04,206.018 194.056,207.034 D8_P_sen3.1@197.486,207.034 ; R12_P_sen3.2@200.434,209.828 197.64,207.034 D8_P_sen3.1@197.486,207.034 ; D9_P_sen3.2@200.786,204.113 200.407,204.113 D8_P_sen3.1@197.486,207.034
PF3: D8_P_sen2.1 D9_P_sen2.2 R12_P_sen2.2 U4.94 U5_P_sen2.6 | length 76.9
  Top Layer w0.3: U4.94@140.925,186.341 141.76,187.176 141.76,187.19 144.054,189.484 198.96,189.484 D9_P_sen2.2@200.786,191.31
  Top Layer w0.4: U5_P_sen2.6@193.04,191.758 193.04,193.215 194.056,194.231 D8_P_sen2.1@197.486,194.231 ; R12_P_sen2.2@200.434,197.025 197.64,194.231 D8_P_sen2.1@197.486,194.231 ; D9_P_sen2.2@200.786,191.31 200.407,191.31 D8_P_sen2.1@197.486,194.231
PF4: D8_P_sen1.1 D9_P_sen1.2 R12_P_sen1.2 U4.93 U5_P_sen1.6 | length 87.6
  Top Layer w0.3: U4.93@141.031,185.74 141.06,185.74 144.296,188.976 185.547,188.976 187.071,187.452 187.071,178.308 189.103,176.276 198.555,176.276 D9_P_sen1.2@200.786,178.507
  Top Layer w0.4: U5_P_sen1.6@193.04,178.955 193.04,180.412 194.056,181.428 D8_P_sen1.1@197.486,181.428 ; R12_P_sen1.2@200.434,184.222 197.64,181.428 D8_P_sen1.1@197.486,181.428 ; D9_P_sen1.2@200.786,178.507 200.407,178.507 D8_P_sen1.1@197.486,181.428
PF5: U4.92
PF6: U4.91
PF7: U4.90
PG0: P3.9 P3.10 U4.51 | length 91.6
  Top Layer w0.3: U4.51@138.804,168.649 139.862,167.591 139.862,166.913 132.334,159.385 130.683,159.385 129.413,158.115 129.413,154.813 130.175,154.051 164.08,154.051 176.312,141.819 176.312,130.393 180.213,126.492 P3.10@180.467,126.492 P3.9@183.007,126.492
PG1: P3.11 P3.12 U4.52 | length 88.9
  Top Layer w0.3: U4.52@139.158,169.003 140.352,167.808 140.352,166.224 132.624,158.496 130.81,158.496 130.048,157.734 130.048,155.194 130.556,154.686 164.137,154.686 176.802,142.021 176.802,132.697 P3.12@180.467,129.032 P3.11@183.007,129.032
PG2: P3.17 P3.18 R8.2 U4.70 | length 58.7
  Top Layer w0.3: U4.70@145.465,175.437 178.326,142.576 178.326,138.793 P3.18@180.467,136.652
  Top Layer w0.4: P3.18@180.467,136.652 P3.17@183.007,136.652
  Bottom Layer w0.4: P3.17@183.007,136.652 183.134,136.525 R8.2@185.801,136.525
PG3: U4.28
PG4: U4.29
PG5: U4.1
PH0: P2.2 U4.12 | length 91
  Top Layer w0.3: P2.2@50.419,175.133 53.848,171.704 104.521,171.704 117.856,185.039 v1(120.777,185.039) ; v1(125.349,187.325) 125.349,186.817 125.693,186.473 130.172,186.473 U4.12@132.087,184.559
  Bottom Layer w0.3: v1(120.777,185.039) 123.063,185.039 v1(125.349,187.325)
PH1: P2.3 U4.13 | length 92.8
  Top Layer w0.3: P2.3@50.419,177.673 55.753,172.339 104.14,172.339 117.983,186.182 119.507,186.182 v1(119.888,186.563) ; v1(124.079,188.468) 124.079,187.061 125.157,185.983 129.955,185.983 U4.13@131.733,184.205
  Bottom Layer w0.3: v1(119.888,186.563) 122.174,186.563 v1(124.079,188.468)
PH2: R16_relay4.2 U4.14 | length 53
  Top Layer w0.3: U4.14@131.379,183.852 129.738,185.493 124.885,185.493 121.17,189.208 121.17,196.241 125.335,200.406 141.409,200.406 149.526,208.523 R16_relay4.2@149.526,208.661
PH3: R16_relay3.2 U4.15 | length 37.3
  Top Layer w0.3: U4.15@131.026,183.498 129.521,185.003 124.682,185.003 120.68,189.005 120.68,196.444 R16_relay3.2@132.897,208.661
PH4: R16_relay2.2 U4.16 | length 34.3
  Top Layer w0.3: R16_relay2.2@116.268,208.661 116.268,200.343 120.19,196.421 120.19,188.802 124.479,184.513 129.304,184.513 U4.16@130.672,183.145
PH5: R16_relay1.2 U4.17 | length 46.2
  Top Layer w0.3: R16_relay1.2@99.639,208.661 99.639,208.082 101.981,205.74 110.178,205.74 114.58,201.338 119.7,196.218 119.7,188.599 124.276,184.023 129.087,184.023 U4.17@130.319,182.791
PH6: U4.18
PH7: U4.27
PJ0: P3.13 P3.14 U4.63 | length 60.7
  Top Layer w0.3: U4.63@143.548,172.377 143.562,172.377 144.018,171.92 147.596,171.92 177.292,142.224 177.292,134.747 P3.14@180.467,131.572 P3.13@183.007,131.572
PJ1: P3.15 P3.16 U4.64 | length 58.4
  Top Layer w0.3: U4.64@143.901,172.73 143.93,172.73 144.249,172.41 147.799,172.41 177.836,142.373 177.836,136.743 P3.16@180.467,134.112 P3.15@183.007,134.112
PJ2: U4.65
PJ3: U4.66
PJ4: U4.67
PJ5: U4.68
PJ6: U4.69
PJ7: U4.79
PK0: U4.89
PK1: U4.88
PK2: U4.87
PK3: U4.86
PK4: U4.85
PK5: U4.84
PK6: U4.83
PK7: R7.2 U4.82 | length 45.2
  Top Layer w0.3: U4.82@145.168,182.084 146.812,183.728 146.812,186.309 148.336,187.833 149.86,187.833 152.908,184.785 152.908,178.816 170.307,161.417 R7.2@172.029,161.417
PL0: U4.35
PL1: U4.36
PL2: U4.37
PL3: U4.38
PL4: U4.39
PL5: U4.40
PL6: U4.41
PL7: U4.42
reset: C13.1 H2.3 R11.1 S1.2 U4.30 | length 87.2
  Top Layer w0.3: v1(75.946,156.083) 75.946,156.972 86.741,167.767 106.553,167.767 113.3,174.514 127.699,174.514 U4.30@128.905,175.72
  Top Layer w0.5: H2.3@50.419,158.496 53.467,158.496 S1.2@53.911,158.052 ; S1.2@60.896,158.052 61.413,157.535 63.881,157.535 63.936,157.48 C13.1@66.675,157.48
  Bottom Layer w0.3: S1.2@60.896,158.052 62.865,156.083 v1(75.946,156.083)
RX_b: Bluetooth1.2 R38.2 R39.2 | length 6
  Top Layer w0.3: Bluetooth1.2@107.061,153.416 107.696,154.051 R38.2@110.053,154.051 R39.2@110.053,151.257
sck_3.3: J3.5 R29.1 R32.2 | length 9.1
  Top Layer w0.4: J3.5@60.792,143.807 64.559,143.807 R32.2@66.802,146.05 R29.1@68.961,146.05
sim_CLK: C39.2 R37.1 SIM1.16 | length 67
  Top Layer w0.5: SIM1.16@151.495,118.318 151.495,115.228 153.8,112.923 184.638,112.923 v1(185.039,112.522)
  Bottom Layer w0.4: R37.1@204.369,120.142 207.618,120.142 C39.2@207.645,120.115
  Bottom Layer w0.5: v1(185.039,112.522) 186.944,110.617 197.993,110.617 204.369,116.993 R37.1@204.369,120.142
sim_D: C36.2 R35.2 SIM1.15 | length 92.3
  Top Layer w0.5: SIM1.15@150.4,118.318 150.4,115.192 153.578,112.014 183.642,112.014 184.531,111.125 187.071,111.125 189.738,113.792 189.738,154.559 v1(189.992,154.813)
  Bottom Layer w0.4: C36.2@192.151,157.072 192.178,157.099 R35.2@194.945,157.099
  Bottom Layer w0.5: v1@189.942,154.863 C36.2@192.151,157.072
sim_RST: C38.2 R36.1 SIM1.17 | length 55
  Top Layer w0.5: SIM1.17@152.59,118.318 152.59,115.264 154.063,113.792 188.214,113.792 v1(188.214,114.046)
  Bottom Layer w0.4: R36.1@197.866,120.142 201.115,120.142 C38.2@201.142,120.115
  Bottom Layer w0.5: v1(188.214,114.046) 190.119,114.046 196.215,120.142 R36.1@197.866,120.142
sim_VCC: C37.2 SIM1.18 SIM2.1 | length 53.8
  Top Layer w0.5: SIM1.18@153.686,118.318 153.686,115.3 154.432,114.554 186.563,114.554 v1(187.706,115.697)
  Bottom Layer w0.4: C37.2@192.659,120.115 194.283,120.115 195.787,121.619 SIM2.1@195.787,126.346
  Bottom Layer w0.5: v1(187.706,115.697) 189.484,115.697 192.659,118.872 C37.2@192.659,120.115
state: Bluetooth1.1
TX_b: Bluetooth1.3 R40.1 | length 3.4
  Top Layer w0.3: Bluetooth1.3@107.061,155.956 107.95,156.845 R40.1@110.053,156.845
VCC: Bluetooth1.5 C3.1 C5.2 C8.2 C9.2 C15.2 C16.2 C17.2 C18.2 C22.2 D2.1 D4.2 D5.1 D8_P_sen1.2 D8_P_sen2.2 D8_P_sen3.2 D8_P_sen4.2 D12.2 D15.2 H1.2 H2.2 L1.2 P2.4 P3.5 P3.6 P3.39 P3.40 P4_sen1.3 P4_sen2.3 P4_sen3.3 P4_sen4.3 P4_sen5.3 P4_sen6.3 P4_sen7.3 P4_sen8.3 R2.1 R3.1 R8.1 R9.1 R11.2 R18.2 U2.3 U4.10 U4.31 U4.61 U4.80 U7.1 | length 919.8
  Top Layer w0.3: C18.2@124.92,173.149 125.126,173.355 127.247,173.355 U4.31@129.028,175.137 ; U4.31@129.258,175.367 129.957,176.065 129.971,176.065 133.643,179.737 133.875,179.737 ; C15.2@130.731,189.532 131.064,189.199 131.064,186.996 U4.10@132.36,185.7 ; U4.10@132.794,185.266 133.875,184.185 133.875,182.135 133.875,179.737 ; 133.9,182.135 137.414,185.649 137.414,190.768 L1.2@135.269,192.913 ; C17.2@146.129,169.466 145.906,169.466 145.7,169.672 144.838,169.672 142.354,172.156 142.354,172.185 U4.61@142.34,172.185 141.368,173.156 141.368,176.87 ; C16.2@150.543,184.229 150.21,183.896 148.394,183.896 U4.80@145.875,181.377 141.451,176.953 141.368,176.87 ; 133.875,179.737 138.666,179.737 141.368,177.035 141.368,176.87
  Top Layer w0.4: U7.1@53.721,124.714 64.544,124.714 R9.1@67.183,127.353
  Top Layer w0.5: H2.2@50.419,155.956 61.722,155.956 62.921,154.757 R11.2@64.135,154.757 ; R2.1@197.231,171.942 R3.1@200.838,171.942 201.847,171.942 C9.2@204.47,169.319 202.819,167.668 H1.2@202.819,166.116
  Top Layer w0.6: U7.1@53.721,124.714 53.602,124.714 48.006,130.31 48.006,177.8 P2.4@50.419,180.213 51.596,179.036 P4_sen4.3@65.32,179.036 ; U2.3@61.087,111.887 61.087,110.744 64.262,107.569 187.706,107.569 192.532,112.395 192.532,155.067 186.182,161.417 ; D4.2@71.501,116.163 72.221,116.163 74.549,118.491 74.549,137.16 75.184,137.795 75.184,152.908 77.47,155.194 77.47,157.099 87.376,167.005 103.251,167.005 104.648,165.608 104.648,162.052 105.664,161.036 Bluetooth1.5@107.061,161.036 107.569,161.036 119.682,173.149 C18.2@124.92,173.149
  Top Layer w0.8: P4_sen4.3@65.32,179.036 58.293,186.063 58.293,203.804 ; P4_sen4.3@65.32,179.417 P4_sen3.3@89.093,179.417 ; P4_sen2.3@65.32,196.777 58.293,203.804 ; P4_sen2.3@65.32,197.412 P4_sen1.3@89.093,197.412 ; P4_sen8.3@65.32,214.518 58.293,221.545 ; P4_sen8.3@65.828,215.153 P4_sen7.3@89.601,215.153 ; P4_sen5.3@87.938,232.41 59.69,232.41 58.293,231.013 58.293,221.545 ; P3.6@180.467,121.412 P3.5@183.007,121.412 183.261,121.412 186.182,124.333 186.182,161.417 184.785,162.814 ; P3.40@180.467,164.592 P3.39@183.007,164.592 184.785,162.814 ; D8_P_sen1.2@200.786,181.428 201.223,181.428 203.2,179.451 203.2,174.304 R3.1@200.838,171.942 ; v1(200.914,181.356) D8_P_sen1.2@201.041,181.229 ; H1.2@202.819,166.116 202.819,165.354 200.279,162.814 184.785,162.814 ; 58.293,203.804 58.293,221.545
  Top Layer w1: U7.1@53.721,124.714 53.721,119.253 U2.3@61.087,111.887 61.087,116.332 C3.1@61.468,116.713 61.893,117.138 C5.2@67.691,117.138 70.526,117.138 D4.2@71.501,116.163
  Bottom Layer w0.3: R18.2@76.454,178.236 76.509,178.181 C22.2@79.121,178.181 79.502,178.181 80.357,179.036 P4_sen3.3@89.093,179.036
  Bottom Layer w0.4: D15.2@49.657,124.827 49.77,124.714 U7.1@53.721,124.714
  Bottom Layer w0.5: H2.2@50.419,155.956 48.514,157.861 48.514,178.308 P2.4@50.419,180.213 ; P3.5@183.007,121.412 185.801,124.206 R8.1@185.801,133.929
  Bottom Layer w0.6: v1(169.29,221.427) 172.531,218.186 181.658,218.186 188.718,225.246 191.845,225.246 196.561,229.962 198.917,229.962 200.914,227.965 v1(200.914,219.837)
  Bottom Layer w0.8: P3.5@183.007,121.412 183.189,121.412 C8.2@185.801,118.8 ; v1(200.914,181.356) v1(200.914,219.837)
  Bottom Layer w1: U2.3@61.087,111.887 61.327,111.647 D2.1@61.327,108.585 D2.1@61.327,107.95 ; C3.1@61.468,116.713 66.928,116.713 D5.1@67.056,116.841
  other v1: 200.786,194.231 200.786,207.034
VO: P3.7 P3.8 R10.3 | length 10
  Top Layer w0.4: R10.3@174.625,120.142 176.657,120.142 P3.8@180.467,123.952 P3.7@183.007,123.952
Vout: P3.37 P3.38 R10.1 | length 50.9
  Top Layer w0.3: R10.1@174.625,122.682 177.095,125.152 183.953,125.152 184.785,125.984 184.785,160.274 P3.37@183.007,162.052 P3.38@180.467,162.052
pads on no net: H1.5 H1.6 J1.MH J2.0 J2.2 J3.0 J3.1 J3.8 J3.9 M1.S M2.S M3.S M4.S P3.45 P3.46 P3.47 P3.48 P3.49 P3.50 SIM1.3 SIM1.4 SIM1.5 SIM1.6 SIM1.7 SIM1.9 SIM1.10 SIM1.11 SIM1.12 SIM1.14 SIM1.20 SIM1.22 SIM1.23 SIM1.24 SIM1.25 SIM1.26 SIM1.29 SIM1.38 SIM1.40 SIM2.5 U3.1 U3.6 U3.7 U5_P_sen1.1 U5_P_sen1.5 U5_P_sen1.8 U5_P_sen2.1 U5_P_sen2.5 U5_P_sen2.8 U5_P_sen3.1 U5_P_sen3.5 U5_P_sen3.8 U5_P_sen4.1 U5_P_sen4.5 U5_P_sen4.8 U6.1 U6.5 U6.8

## Polygon pours and split planes (outlines as drawn)
GND on Bottom Layer "Top Layer-No Net" (solid, remove dead copper, pour order 8): 46.99,238.887 47.371,238.506 166.37,238.506 166.37,212.598 184.15,212.598 186.309,210.439 186.309,178.308 189.611,175.006 208.026,175.006 208.026,106.68 47.371,106.68
GND on Bottom Layer "Top Layer-No Net" (solid, remove dead copper, pour order 6): 211.709,238.633 167.767,238.633 167.767,213.995 167.894,214.122 185.166,214.122 187.579,211.709 187.579,176.149 211.582,176.149 211.709,176.022
GND on Top Layer "Top Layer-No Net 1" (solid, remove dead copper, pour order 10): 46.863,238.633 211.582,238.633 211.582,106.68 46.99,106.68

## Keep-outs
Keep-Out Layer:
  lines w0.15: 47.117,107.315 ccw(c47.625,107.315) 47.625,106.807 210.439,106.807 ccw(c210.439,108.077) 211.709,108.077 211.709,125.222 211.709,237.49 ccw(c210.439,237.49) 210.439,238.76 48.387,238.76 ccw(c48.387,237.49) 47.117,237.49 47.117,107.315

## Other copper
Top Layer:
  pour cut-out: 167.665,238.196 211.862,238.196 211.56,237.893 211.56,176.149 186.962,176.149 186.962,212.326 185.144,214.144 167.792,214.144
  pour cut-out: 99.282,238.284 99.092,218.916 101.822,216.185 105.158,212.849 156.525,212.849 157.829,214.153 160.623,214.153 166.338,219.868 166.338,238.205
Bottom Layer:
  pour cut-out: 105.283,212.471 109.228,212.471 110.617,211.082 110.617,207.264 110.236,206.883 104.14,206.883 104.14,209.042
  pour cut-out: 121.666,212.594 125.611,212.594 127,211.205 127,207.387 126.619,207.006 120.523,207.006 120.523,209.165
  pour cut-out: 138.557,212.725 142.502,212.725 143.891,211.336 143.891,207.518 143.51,207.137 137.414,207.137 137.414,209.296
  pour cut-out: 155.194,212.598 159.139,212.598 160.528,211.209 160.528,207.391 160.147,207.01 154.051,207.01 154.051,209.169
  pour cut-out: 99.314,238.253 99.123,218.884 101.854,216.154 105.19,212.818 156.557,212.818 157.861,214.122 160.655,214.122 166.37,219.837 166.37,238.174
  pour cut-out: 75.184,178.816 80.137,178.816 80.137,176.149 75.184,176.149
  pour cut-out: 66.294,120.523 66.421,120.65 73.533,120.65 73.533,117.475 73.66,117.348 66.294,117.348
  pour cut-out: 50.546,129.427 50.419,129.3 50.419,124.333 50.292,124.206 48.641,124.206 48.641,129.54
  pour cut-out: 61.327,109.347 61.581,109.601 66.04,109.601 66.04,107.569 65.913,107.442 61.341,107.442
  pour cut-out: 76.962,109.728 81.28,109.728 81.421,109.587 81.421,107.95 77.089,107.95 76.962,108.077
  pour cut-out: 191.643,122.428 202.286,122.428 202.286,120.015 191.643,120.015
  pour cut-out: 194.818,128.651 201.803,128.651 201.803,124.46 194.818,124.46
  pour cut-out: 186.885,136.144 186.885,133.985 185.166,133.985 184.912,134.239 185.039,134.366 185.039,136.144
  pour cut-out: 186.944,118.355 186.944,116.586 184.785,116.586 184.785,118.355
  pour cut-out: 196.342,159.512 196.342,157.099 190.843,157.099 190.843,159.512
  pour cut-out: 186.817,159.49 186.817,157.48 184.717,157.48 184.717,159.582
  pour cut-out: 203.2,122.174 208.534,122.174 208.534,120.777 208.661,120.65 203.2,120.65
  pour cut-out: 196.342,154.94 201.93,154.94 201.93,149.987 196.342,149.987

## Silkscreen, mask and mechanical layers (free items; w line width, h text height)
Top Overlay:
  text "CT input" at 182.88,237.236 h1.5
  text "T.R.D  v1" at 99.187,188.722 h5
  text "debug" at 49.022,182.118 h2
  text "Vcc" at 52.342,179.832 h2
  text "GLCD" at 179.959,179.07 h1.5
  text "TX" at 52.342,177.181 h2
  text "RX" at 52.342,174.556 h2
  text "Gnd" at 52.342,171.958 h2
  text "<<22" at 184.785,169.291 h1.5
  text "Prog" at 48.895,167.767 h2
  text "VCC" at 101.727,160.528 h2
  text "Reset" at 55.118,159.766 h2
  text "Gnd" at 102.309,157.867 h2
  text "TX_bl" at 100.739,155.569 h2
  text "RX_bl" at 100.614,152.908 h2
  text "Gnd" at 48.895,150.749 h2
  text "Status" at 140.335,147.066 h2
  text "Net" at 150.368,147.066 h2
  text "GSM" at 142.621,136.779 h2
  text "Power" at 72.263,128.397 h2
  text "<<1" at 184.785,115.697 h1.5
Bottom Overlay:
  text "NC" at 102.997,236.728 h1.5
  text "NO" at 113.03,236.728 h1.5
  text "NC" at 119.634,236.728 h1.5
  text "NO" at 129.54,236.728 h1.5
  text "NC" at 136.144,236.728 h1.5
  text "NO" at 146.431,236.728 h1.5
  text "NC" at 152.908,236.728 h1.5
  text "NO" at 162.814,236.728 h1.5
  text "12V" at 205.105,223.52 h1.5
  text "12V" at 205.105,210.693 h1.5
  text "12V" at 205.105,197.993 h1.5
  text "12V" at 205.105,185.166 h1.5

## Text inside footprints (layer, text, board x,y; h text height)
C28: Top Overlay "+" at 90.213,136.456 h1 r90
C29: Top Overlay "+" at 102.178,138.406 h2 r90
H1: Top Overlay "BAT" at 199.009,131.445 h3 r90; Top Overlay "GND" at 205.74,161.036 h1.7 r90; Top Overlay "VCC" at 203.2,161.036 h1.7 r90; Top Overlay "SDA" at 200.66,161.036 h1.7 r90; Top Overlay "SCL" at 198.12,161.036 h1.7 r90; Top Overlay "SQW" at 195.58,161.036 h1.7 r90; Top Overlay "32K" at 193.04,161.036 h1.7 r90; Top Overlay "DS3231" at 208.661,118.872 h2.54 r90
K1_relay1: Top Overlay "COM" at 105.084,216.879 h1.5; Top Overlay "NO" at 109.123,224.27 h1.5; Top Overlay "NC" at 102.392,224.321 h1.5
K1_relay2: Top Overlay "COM" at 121.713,216.879 h1.5; Top Overlay "NO" at 125.752,224.27 h1.5; Top Overlay "NC" at 119.021,224.321 h1.5
K1_relay3: Top Overlay "COM" at 138.342,216.879 h1.5; Top Overlay "NO" at 142.381,224.27 h1.5; Top Overlay "NC" at 135.65,224.321 h1.5
K1_relay4: Top Overlay "COM" at 154.971,216.879 h1.5; Top Overlay "NO" at 159.01,224.27 h1.5; Top Overlay "NC" at 152.279,224.321 h1.5
R10: Top Overlay "CW" at 175.844,117.526 h1 r270